# Altium PCB SlideRailCtrl.PcbDoc
Units mm, origin at the board's own origin, x right, y up, seen from the top; angles counter-clockwise.
Board outline 70 x 41 mm, 4 copper layers (Top Layer, Mid 1, Mid 2, Bottom Layer), stack 1.606 mm thick; 96 components, 70 nets, 328 pads, 149 vias.
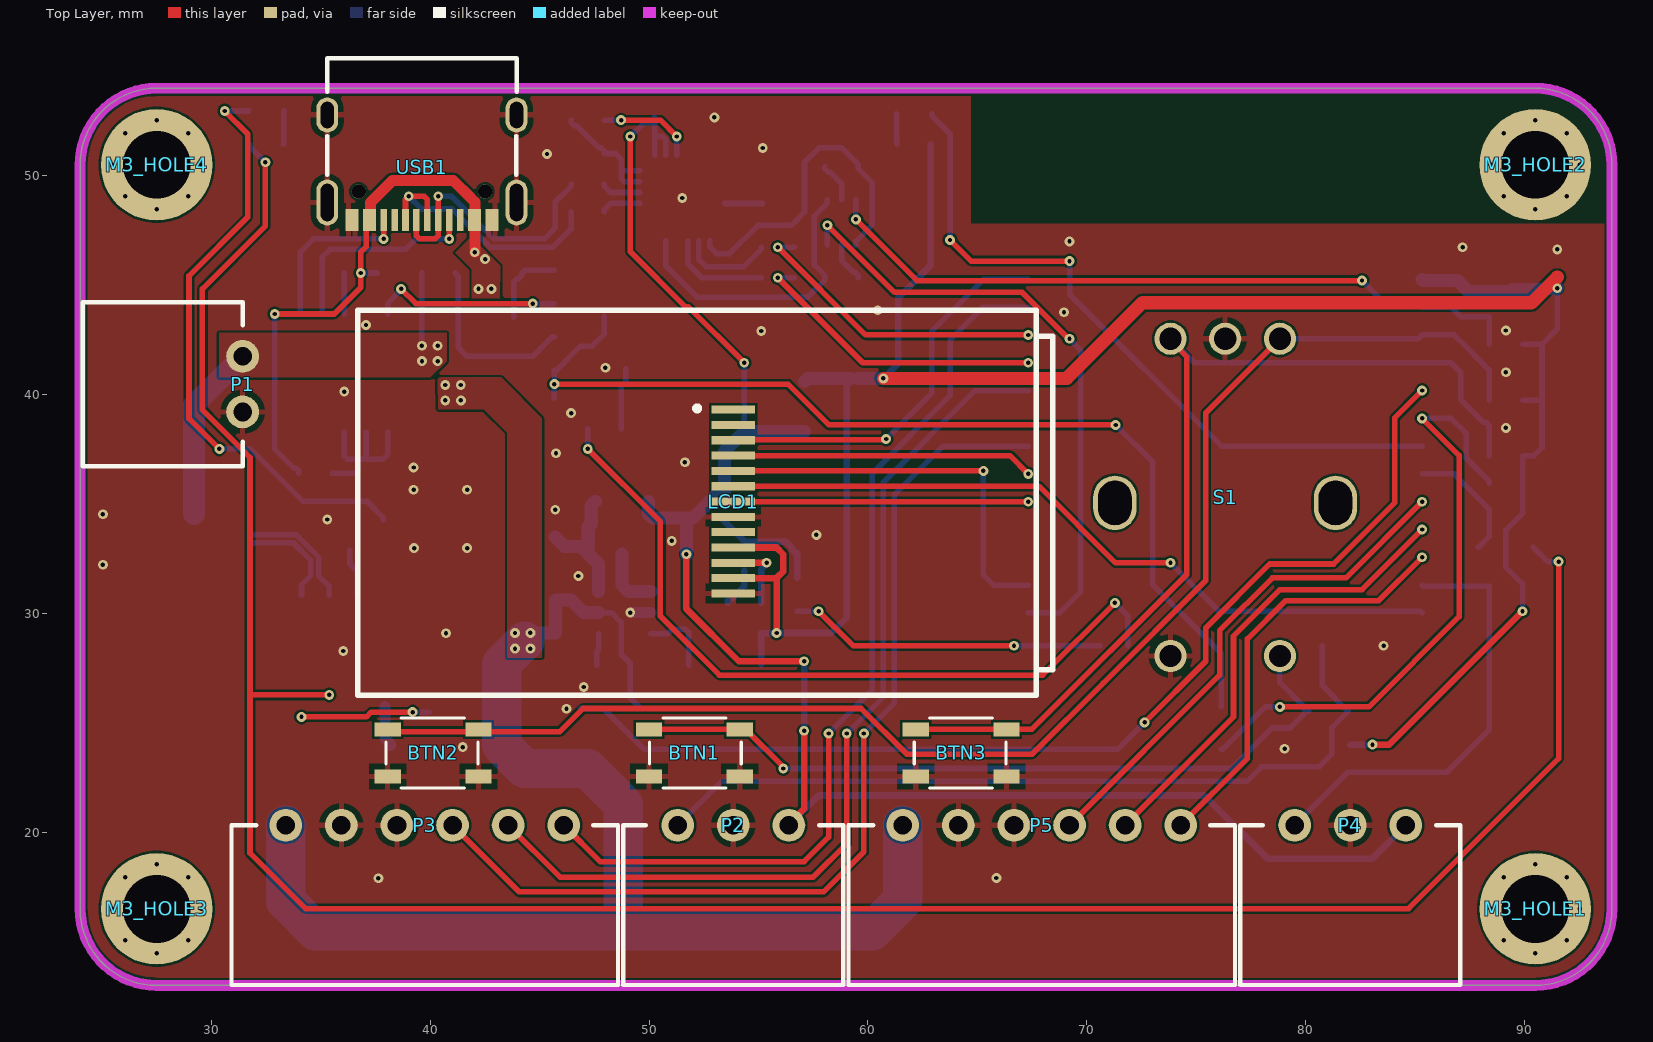
[diagram p0: Top Layer view]
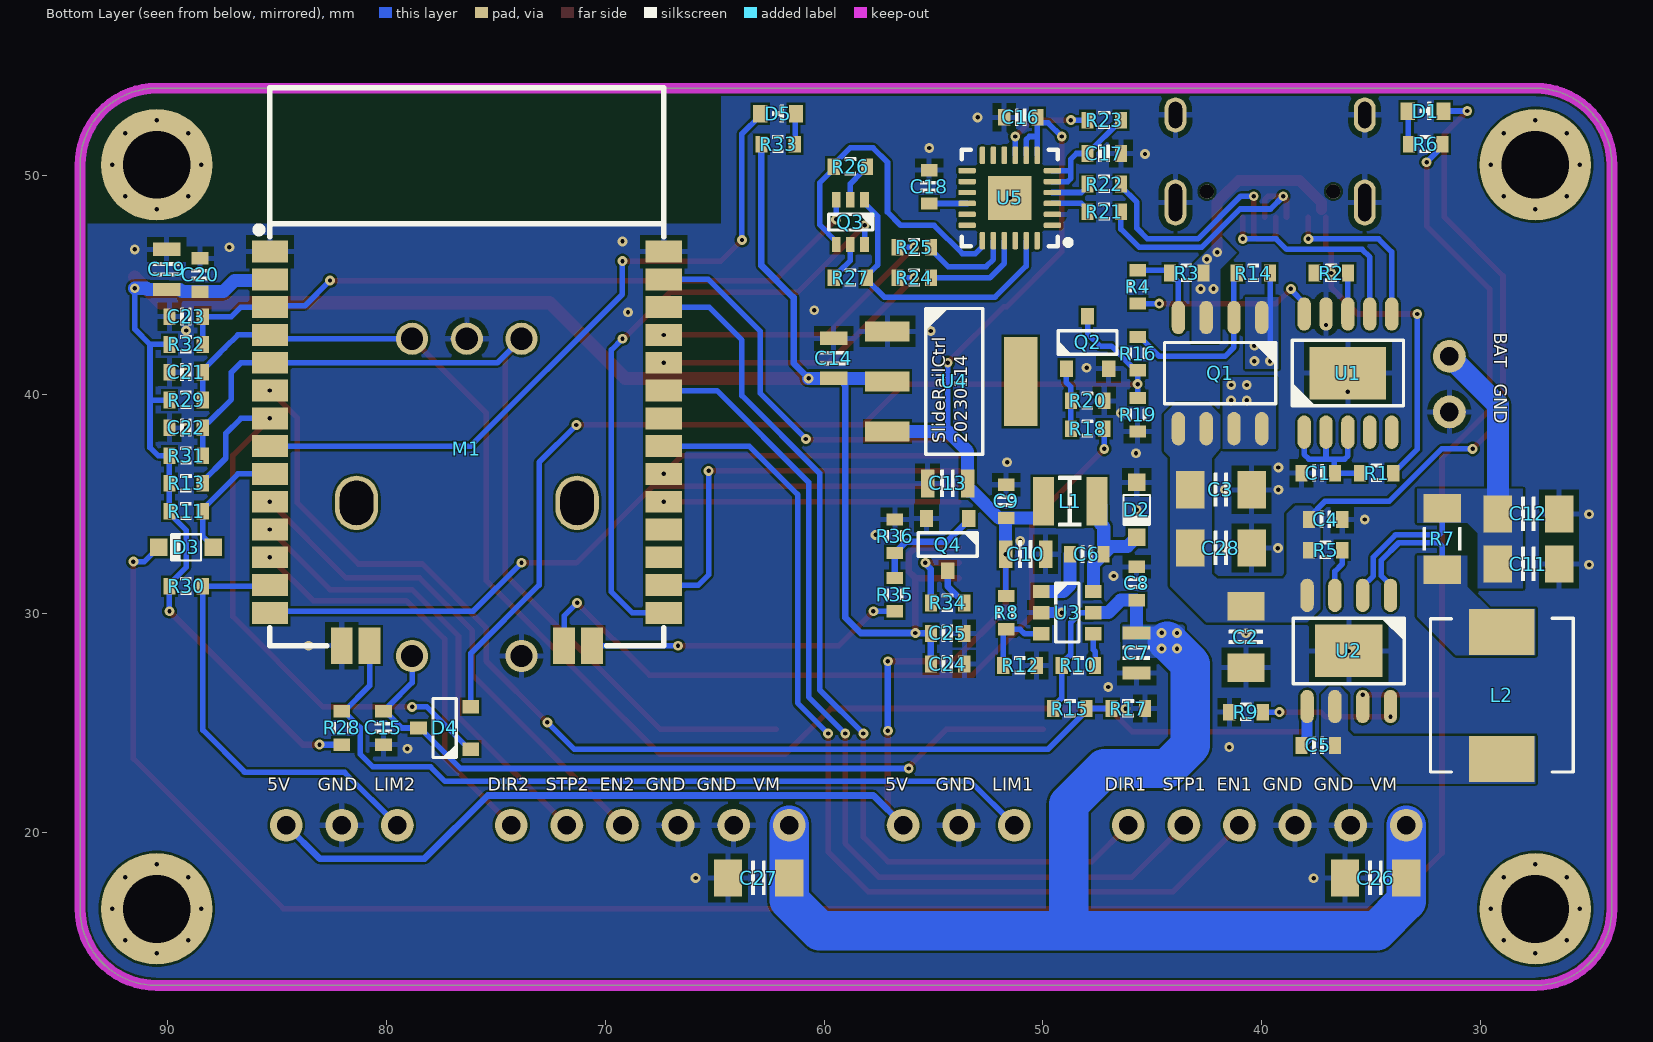
[diagram p1: Bottom Layer view, seen from below]
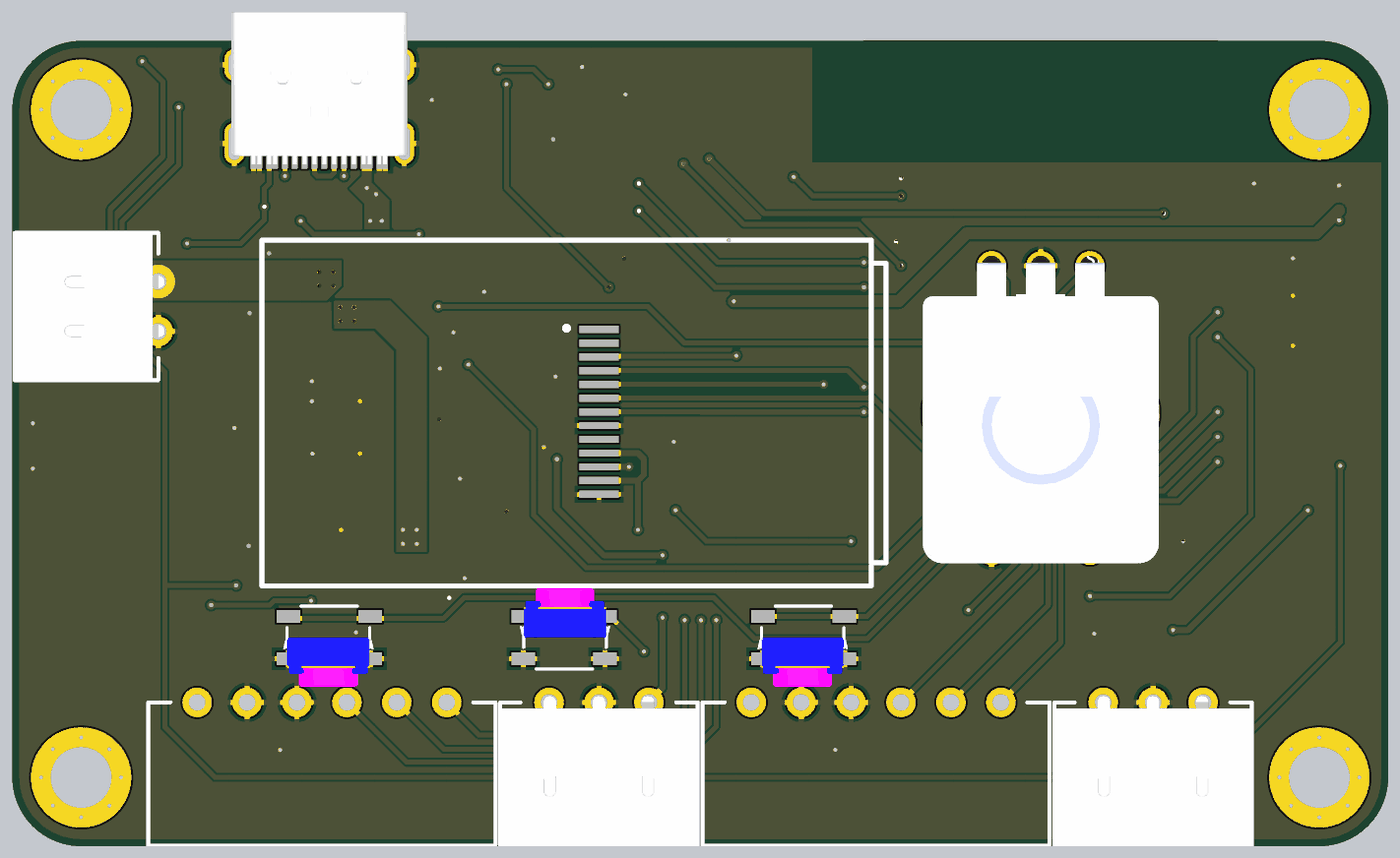
[diagram p2: 3D render of the assembled board from above, using the file's embedded part models]
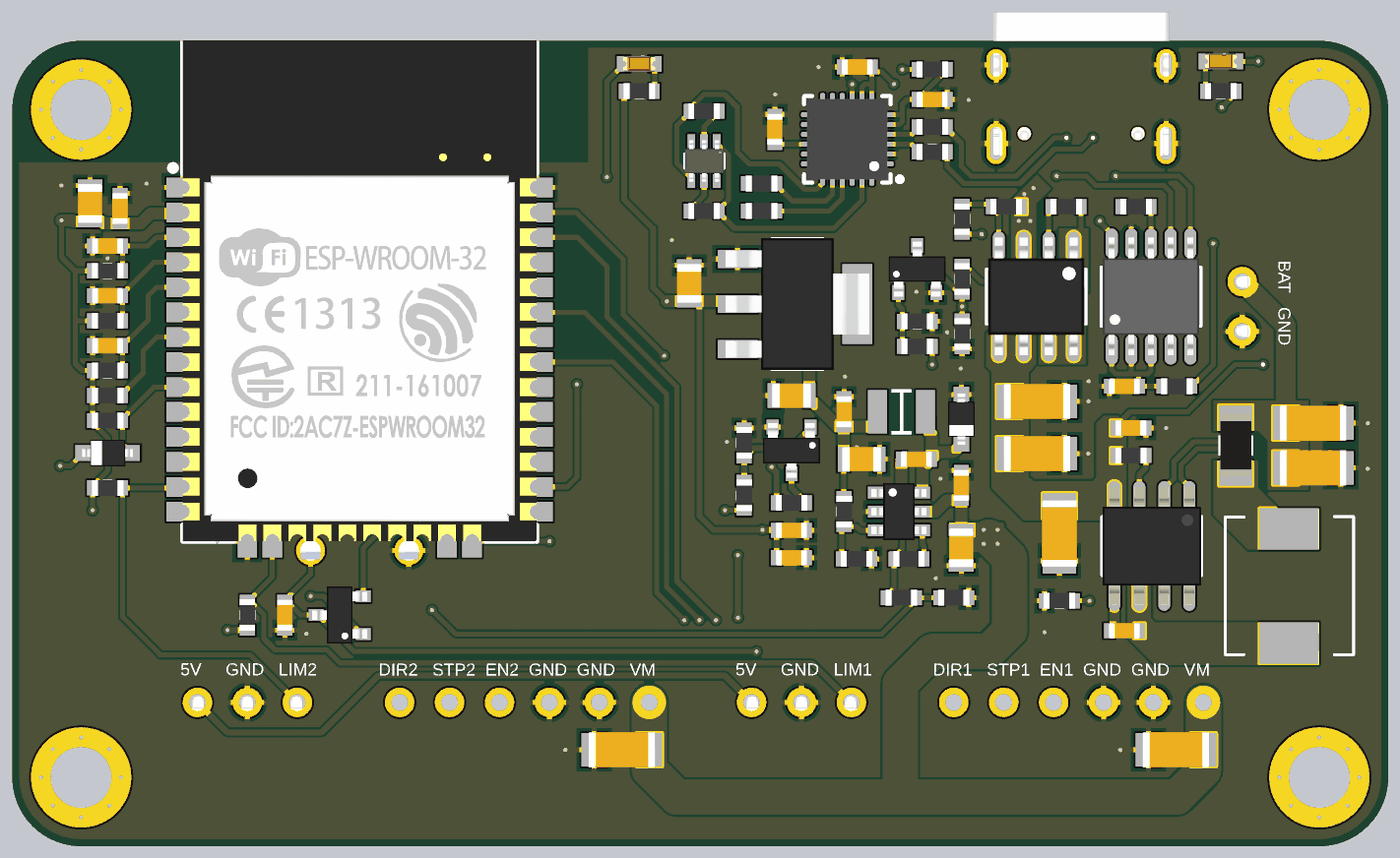
[diagram p3: 3D render of the assembled board from below, using the file's embedded part models]

## Layer stack, top to bottom
Top Solder: solder mask 0.0102, Solder Resist, Dk 3.8
Top Layer: signal copper 0.0356
Dielectric 2: prepreg 0.1, PP-006, Dk 4.05
Mid 1: signal copper 0.035
Dielectric 1: prepreg 1.265, PP-006, Dk 4.6
Mid 2: signal copper 0.035
Dielectric 3: prepreg 0.1, PP-006, Dk 4.05
Bottom Layer: signal copper 0.0356
Bottom Solder: solder mask 0.0102, Solder Resist, Dk 3.8

## Board outline
24,16.506 24,50.5 cw(c27.5,50.5) 27.5,54 90.5,54 cw(c90.5,50.5) 94,50.5 94,16.5 cw(c90.5,16.5) 90.5,13 27.5,13 cw(c27.5,16.5)

## Design rules (kind name [scope] priority, off if disabled: settings)
Clearance [All] p1: gap=0.102 ignorepadtopadclearanceinfootprint=TRUE
ComponentClearance [All] p1: gap=0 collisioncheckmode=3 verticalgap=0 showdistances=FALSE
DiffPairsRouting [All] p1: maxlimit=0.254 minlimit=0.254 mostfreqgap=0.254 toplayer_minwidth=0.2 toplayer_maxwidth=0.381 toplayer_prefwidth=0.2 midlayer1_minwidth=0.2 midlayer1_maxwidth=0.381 midlayer1_prefwidth=0.2 midlayer2_minwidth=0.2 midlayer2_maxwidth=0.381 midlayer2_prefwidth=0.2 bottomlayer_minwidth=0.2 bottomlayer_maxwidth=0.381 bottomlayer_prefwidth=0.2 maxuncoupledlength=12.7
Height [All] p1 off: minheight=0 maxheight=0 prefheight=0
MatchedLengths SD_CARD_MatchedLengths [InNetClass('SD_CARD')] p1: tolerance=10.16 checknetsindiffpair=FALSE checkdiffpairvsdiffpair=TRUE checkxsignals=TRUE checkothers=TRUE
PolygonConnect PolygonConnect_Via [IsVia] p1: connectstyle=Direct reliefconductorwidth=0.254 reliefentries=4 polygonreliefangle="90 Angle" airgapwidth=0.254
PolygonConnect PolygonConnect_GND [InNet('GND')] p2: connectstyle=Relief reliefconductorwidth=0.254 reliefentries=4 polygonreliefangle="90 Angle" airgapwidth=0.254
PolygonConnect [All] p3: connectstyle=Direct reliefconductorwidth=0.254 reliefentries=4 polygonreliefangle="90 Angle" airgapwidth=0.254
RoutingVias [All] p1: holewidth=0.711 width=1.27 viastyle="Through Hole" minholewidth=0.2 minwidth=0.4 maxholewidth=0.711 maxwidth=1.27
SolderMaskExpansion [All] p1: expansion=0.102 istentingtop=FALSE
Width Width_PWR [InNetClass('PWR')] p1: maxlimit=0.6 minlimit=0.2 preferedwidth=0.254
Width [All] p2: maxlimit=2 minlimit=0.102 preferedwidth=0.254
27 further rules are at their usual default settings.

## Classes and differential pairs
component class "[03] MainBoard": BTN2 BTN3 C16 C17 C18 C19 C20 C21 C22 C23 C24 C25 C26 C27 D5 LCD1 M1 P2 P3 P4 P5 Q3 Q4 R21 R22 R23 R24 R25 R26 R27 R28 R29 R30 R31 R32 R33 R34 R35 R36 S1 U5
component class "[02] Power": BTN1 C1 C2 C3 C4 C5 C6 C7 C8 C9 C10 C11 C12 C13 C14 C15 C28 D1 D2 D3 D4 L1 L2 M3_HOLE1 M3_HOLE2 M3_HOLE3 M3_HOLE4 P1 Q1 Q2 R1 R2 R3 R4 R5 R6 R7 R8 R9 R10 R11 R12 R13 R14 R15 R16 R17 R18 R19 R20 U1 U2 U3 U4 USB1

## Components (designator, comment, footprint, x,y, rotation, side; value= is the part's Value field where it differs from the comment)
BTN1 "PWR Button" BTN-4P-4.2*3.4*2.5 52.07,23.622 r180 top
BTN2 "USER BTN" BTN-4P-4.2*3.4*2.5 40.132,23.622 r0 top
BTN3 "USER BTN" BTN-4P-4.2*3.4*2.5 64.262,23.622 r0 top
C1 "1uF" CAP_0603 37.42,36.412 r0 bottom
C2 "22uF" CAP_1206 40.722,28.919 r90 bottom
C3 "22uF" CAP_1206 41.865,35.65 r0 bottom
C4 "1uF" CAP_0603 37.084,34.29 r180 bottom
C5 "100nF" CAP_0603 37.42,23.966 r0 bottom
C6 "100nF" CAP_0603 47.999,32.704 r0 bottom
C7 "10uF" CAP_0805 45.72,28.194 r270 bottom
C8 "100nF" CAP_0603 45.72,31.369 r90 bottom
C9 "100nF" CAP_0603 51.682,35.117 r90 bottom
C10 "22uF" CAP_0805 50.793,32.704 r180 bottom
C11 "22uF" CAP_1206 27.813,32.258 r0 bottom
C12 "22uF" CAP_1206 27.813,34.544 r0 bottom
C13 "10uF" CAP_0805 54.356,35.941 r180 bottom
C14 "10uF" CAP_0805 59.563,41.656 r270 bottom
C15 "100nF" CAP_0603 80.137,24.765 r270 bottom
C16 "1uF" CAP_0603 51.009,52.668 r180 bottom
C17 "1uF" CAP_0603 47.199,51.017 r180 bottom
C18 "4.7uF" CAP_0603 55.2,49.493 r90 bottom
C19 "10uF" CAP_0805 90.043,45.72 r270 bottom
C20 "100nF" CAP_0603 88.519,45.466 r270 bottom
C21 "100nF" CAP_0603 89.154,41.021 r180 bottom
C22 "100nF" CAP_0603 89.154,38.481 r180 bottom
C23 "1uF" CAP_0603 89.154,43.561 r180 bottom
C24 "4.7uF" CAP_0603 54.356,27.686 r0 bottom
C25 "100nF" CAP_0603 54.356,29.083 r180 bottom
C26 "22uF" CAP_1206 34.798,17.907 r180 bottom
C27 "22uF" CAP_1206 62.992,17.907 r180 bottom
C28 "22uF" CAP_1206 41.865,32.983 r0 bottom
D1 "RED" LED_0603 32.512,52.959 r180 bottom
D2 "B5819WS" SOD-323 45.713,34.736 r90 bottom
D3 "B5819WS" SOD-323 89.154,33.02 r180 bottom
D4 "BAT54" SOT-23-3 77.343,24.765 r180 bottom
D5 "RED" LED_0603 62.103,52.832 r180 bottom
L1 "4.7uH" IND_1008 48.761,35.117 r0 bottom
L2 "6.8uH" IND_P_0630 29.038,26.252 r90 bottom
LCD1 "LCD" LCD-IPS-1.14-135x240-TOP 52.197,35.052 r90 top
M1 "ESP32-WROOM-32E" ESP-32 76.327,37.53 r270 bottom locked
M3_HOLE1 "TestPoint" Hole_M3_PAD 90.5,16.5 r0 top
M3_HOLE2 "TestPoint" Hole_M3_PAD 90.5,50.5 r0 top
M3_HOLE3 "TestPoint" Hole_M3_PAD 27.5,16.5 r0 top
M3_HOLE4 "TestPoint" Hole_M3_PAD 27.5,50.5 r0 top
P1 "HX25003-2WAG" XH_2-SLEEP 31.425,40.476 r90 top
P2 "DIP 1x3" XH_3-sleep 53.848,20.32 r180 top locked
P3 "DIP 1x6" XH_6-sleep 39.751,20.32 r180 top locked
P4 "DIP 1x3" XH_3-sleep 82.042,20.32 r180 top locked
P5 "DIP 1x6" XH_6-sleep 67.945,20.32 r180 top locked
Q1 "NCE4953" SOP-8-P1.27 41.906,40.984 r0 bottom
Q2 "SS8050" SOT-23-3 47.961,42.381 r270 bottom
Q3 "BC847BDW1T1G" SC70-6 58.801,47.879 r90 bottom
Q4 "SS8050" SOT-23-3 54.356,33.147 r90 bottom
R1 "1K" RES_0603 34.753,36.412 r180 bottom
R2 "10K" RES_0603 36.826,45.556 r0 bottom
R3 "100K" RES_0603 43.43,45.556 r180 bottom
R4 "100K" RES_0603 45.675,44.921 r90 bottom
R5 "100K" RES_0603 37.084,32.893 r0 bottom
R6 "5.1K" RES_0603 32.512,51.435 r0 bottom
R7 "130mR" RES_1206 31.75,33.401 r270 bottom
R8 "49.9K" RES_0603 51.682,30.037 r270 bottom
R9 "20K" RES_0603 40.722,25.49 r0 bottom
R10 "100K" RES_0603 48.38,27.624 r180 bottom
R11 "10K" RES_0603 89.154,34.671 r180 bottom
R12 "9.53K" RES_0603 51.047,27.624 r180 bottom
R13 "1K" RES_0603 89.154,35.941 r0 bottom
R14 "100K" RES_0603 40.382,45.556 r180 bottom
R15 "100K" RES_0603 48.768,25.654 r0 bottom
R16 "100K" RES_0603 45.675,41.873 r90 bottom
R17 "30K" RES_0603 46.101,25.654 r0 bottom
R18 "1K" RES_0603 47.961,38.444 r0 bottom
R19 "NC" RES_0603 45.675,39.079 r270 bottom
R20 "10K" RES_0603 47.961,39.714 r0 bottom
R21 "22R" RES_0603 47.199,48.35 r180 bottom
R22 "22R" RES_0603 47.199,49.62 r180 bottom
R23 "10K" RES_0603 47.199,52.541 r0 bottom
R24 "22R" RES_0603 55.88,45.339 r180 bottom
R25 "22R" RES_0603 55.88,46.736 r180 bottom
R26 "10K" RES_0603 58.801,50.419 r0 bottom
R27 "10K" RES_0603 58.801,45.339 r0 bottom
R28 "4.7K" RES_0603 82.042,24.765 r90 bottom
R29 "4.7K" RES_0603 89.154,39.751 r180 bottom
R30 "4.7K" RES_0603 89.154,31.242 r180 bottom
R31 "4.7K" RES_0603 89.154,37.211 r180 bottom
R32 "10K" RES_0603 89.154,42.291 r0 bottom
R33 "4.7K" RES_0603 62.103,51.435 r180 bottom
R34 "10R" RES_0603 54.356,30.48 r0 bottom
R35 "1K" RES_0603 56.769,30.861 r270 bottom
R36 "10K" RES_0603 56.769,33.528 r270 bottom
S1 "RotaryEncoder" RotaryEncoder 76.327,35.052 r180 top locked
U1 "CH224K" HSOP-10-P1.0 36.064,40.984 r180 bottom
U2 "ME4078BSPG" HSOP-8-P1.27 36.023,28.284 r0 bottom
U3 "MP2359" SOT-23-6 48.888,30.037 r0 bottom
U4 "AMS1117-3.3V" SOT-223-3 54.057,40.603 r0 bottom
U5 "CH9102F" QFN-24-4.0X4.0-P0.5 51.517,48.985 r90 bottom
USB1 "Type-C" USB-Type-C 39.62,50.382 r90 top locked

## Footprints (in the part's own frame and the unit in brackets; to place one, negate y for a bottom-side part, rotate by r counter-clockwise, add the part's x,y. Pads: shape width x height; smd on the part's side, far side on the other; paste and mask are expansions set on the pad)
BTN-4P-4.2*3.4*2.5 [mm] "SKRPABE010"
  rect 1.2x0.65 smd: 1(-2.075,1.075) 1(2.075,1.075) 2(-2.075,-1.075) 2(2.075,-1.075)
  silkscreen extent -2.15,-1.6 2.05,1.6, body extent -2.35,-1.6 2.25,1.6, height 2.5
CAP_0603 [mil]
  rect 22x30 smd: 1(-30,0) 2(30,0)
  silkscreen extent -10,-15 10,15, body extent -31,-16 31,16, height 31
CAP_0805 [mil]
  rect 24x50 smd: 1(-36,0) 2(36,0)
  silkscreen extent -12,-24 12,24, body extent -39,-25 39,25, height 39
CAP_1206 [mm]
  rect 1.3x1.7 smd: 1(-1.4,0) 2(1.4,0)
  silkscreen extent -0.3,-0.76 0.3,0.76, body extent -1.7,-0.9 1.7,0.9, height 0.5
ESP-32 [mm]
  rect 1x1.65 smd: 1(-9.005,-9) 2(-7.735,-9) 3(-6.465,-9) 4(-5.195,-9) 5(-3.925,-9) 6(-2.655,-9) 7(-1.385,-9) 8(-0.115,-9) 9(1.155,-9) 10(2.425,-9) 11(3.695,-9) 12(4.965,-9) 13(6.235,-9) 14(7.505,-9) 25(7.505,9) 26(6.235,9) 27(4.965,9) 28(3.695,9) 29(2.425,9) 30(1.155,9) 31(-0.115,9) 32(-1.385,9) 33(-2.655,9) 34(-3.925,9) 35(-5.195,9) 36(-6.465,9) 37(-7.735,9) 38(-9.005,9)
  rect 1.65x1 smd: 15(9.005,-5.715) 16(9.005,-4.445) 23(9.005,4.445) 24(9.005,5.715)
  silkscreen extent -16.5,-9.65 9,9, body extent -16.5,-9 9,9, height 2.91
Hole_M3_PAD [mm]
  round 5.1 hole 3.1: 0(0,0)
HSOP-8-P1.27 [mil]
  oval 24x60 smd: 1(-75,-100) 2(-25,-100) 3(25,-100) 4(75,-100) 5(75,100) 6(25,100) 7(-25,100) 8(-75,100)
  rect 122.05x94.49 smd: 9(0,0)
  silkscreen extent -100,-59 100,59, body extent -98,-118 98,118, height 71
HSOP-10-P1.0 [mm]
  oval 0.61x1.524 smd: 1(-2,-2.7) 2(-1,-2.7) 3(0,-2.7) 4(1,-2.7) 5(2,-2.7) 6(2,2.7) 7(1,2.7) 8(0,2.7) 9(-1,2.7) 10(-2,2.7)
  rect 3.5x2.4 smd: 11(0,0)
  silkscreen extent -2.54,-1.5 2.54,1.5, body extent -2.45,-3 2.45,3, height 1.55
IND_1008 [mm]
  rect 0.96x2.22 smd: 1(-1.22,0) 2(1.22,0)
  silkscreen extent -0.51,-1.14 0.51,1.14, body extent -1.35,-1.1 1.35,1.1, height 1
IND_P_0630 [mm] "7*6.6*2.8MM(长*宽*高)"
  rect 2.1x3 smd: 1(-2.9,0) 2(2.9,0)
  silkscreen extent -3.5,-3.27 3.52,3.25, body extent -3.5,-3.25 3.52,3.25, height 2.8
LCD-IPS-1.14-135x240-TOP [mm]
  rect 0.37x2 smd: 1(4.26,-1.65) 2(3.56,-1.65) 3(2.86,-1.65) 4(2.16,-1.65) 5(1.46,-1.65) 6(0.76,-1.65) 7(0.06,-1.65) 8(-0.64,-1.65) 9(-1.34,-1.65) 10(-2.04,-1.65) 11(-2.74,-1.65) 12(-3.44,-1.65) 13(-4.14,-1.65)
  silkscreen extent -8.8,-16.26 8.8,15.5, body extent -8.8,-15.5 8.8,15.5, height 1.5
LED_0603 [mm]
  rect 0.65x0.8 smd: 1(0.813,0) 2(-0.813,0)
  silkscreen extent -0.25,-0.39 0.25,0.39, body extent -0.81,-0.4 0.81,0.4, height 0.6
QFN-24-4.0X4.0-P0.5 [mm] "QFN, 24-Leads, Body 4.00x4.00mm, Pitch 0.50mm, Thermal Pad 2.70x2.60mm, IPC Medium Density"
  rrect50% 0.25x0.8 smd: 1(-1.25,-1.95) 2(-0.75,-1.95) 3(-0.25,-1.95) 4(0.25,-1.95) 5(0.75,-1.95) 6(1.25,-1.95) 13(1.25,1.95) 14(0.75,1.95) 15(0.25,1.95) 16(-0.25,1.95) 17(-0.75,1.95) 18(-1.25,1.95)
  rrect50% 0.8x0.25 smd: 7(1.95,-1.25) 8(1.95,-0.75) 9(1.95,-0.25) 10(1.95,0.25) 11(1.95,0.75) 12(1.95,1.25) 19(-1.95,1.25) 20(-1.95,0.75) 21(-1.95,0.25) 22(-1.95,-0.25) 23(-1.95,-0.75) 24(-1.95,-1.25)
  rect 2x2 smd: 25(0,0)
  silkscreen extent -2.2,-2.79 2.2,2.2, body extent -2.07,-2.07 2.07,2.07, height 0.9
RES_0603 [mil]
  rect 22x30 smd: 1(-30,0) 2(30,0)
  silkscreen extent -10,-16 10,16, body extent -31,-16 31,16, height 18
RES_1206 [mm]
  rect 1.3x1.7 smd: 1(-1.4,0) 2(1.4,0)
  silkscreen extent -0.51,-0.88 0.51,0.88, body extent -1.6,-0.8 1.6,0.8, height 1.01
RotaryEncoder [mil]
  oval 78x98 hole 60 slot 80 at 90 deg: 0(-198.43,0) 0(198.43,0)
  round 58 hole 40: 1(-98.43,-295.28) 2(0,-295.28) 3(98.43,-295.28) 4(98.43,275.59) 5(-98.43,275.59)
  body extent -236,-301 236,301, height 1024
SC70-6 [mm]
  rect 0.7x0.4 smd: 1(1.024,-0.65) 2(1.024,0) 3(1.024,0.65) 4(-1.024,0.65) 5(-1.024,0) 6(-1.024,-0.65)
  silkscreen extent -0.36,-1.02 0.36,0.99, body extent -1.05,-1 1.05,1, height 0.92
SOD-323 [mm]
  rect 0.8x0.8 smd: 1(1.25,0) 2(-1.25,0)
  silkscreen extent -0.72,-0.6 0.67,0.6, body extent -1.3,-0.68 1.3,0.67, height 1.1
SOP-8-P1.27 [mil]
  oval 24x60 smd: 1(-75,-100.02) 2(-25,-100.02) 3(25,-100.02) 4(75,-100.02) 5(75,99.98) 6(25,99.98) 7(-25,99.98) 8(-75,99.98)
  silkscreen extent -100,-55 100,55, body extent -96,-118 96,118, height 69
SOT-23-3 [mil]
  rect 30x24 smd: 1(47,-38) 2(47,38) 3(-47,0)
  silkscreen extent -21,-53 21,53, body extent -55,-57 55,57, height 51
SOT-23-6 [mil]
  rect 30x24 smd: 1(47,-38) 2(47,0) 3(47,38) 4(-47,38) 5(-47,0) 6(-47,-38)
  silkscreen extent -21,-53 21,53, body extent -55,-57 55,57, height 57
SOT-223-3 [mil]
  rect 80x36 smd: 1(120,-90.16) 2(120,0) 3(120,90.16)
  rect 60x160 smd: 4(-120,0)
  silkscreen extent -51,-131 51,131, body extent -144,-132 144,132, height 71
USB-Type-C [mm]
  round 0.65 hole 0.65: 0(-1.105,2.89) 0(-1.105,-2.89)
  oval 1.6x1 hole 0.6 slot 1.2 at 0 deg: 1(2.395,4.325) 2(2.395,-4.325)
  oval 2.1x1 hole 0.6 slot 1.7 at 0 deg: 3(-1.605,-4.325) 4(-1.605,4.325)
  rect 1x0.3 smd: A1(-2.395,-3.35) A4(-2.395,-2.55) A5(-2.395,-1.25) A6(-2.395,-0.25) A7(-2.395,0.25) A8(-2.395,1.25) A9(-2.395,2.55) A12(-2.395,3.35) B1(-2.395,3.05) B4(-2.395,2.25) B5(-2.395,1.75) B6(-2.395,0.75) B7(-2.395,-0.75) B8(-2.395,-1.75) B9(-2.395,-2.25) B12(-2.395,-3.05)
  silkscreen extent -0.34,-4.33 4.99,4.33, body extent -2.67,-4.47 5.08,4.48, height 3.26
XH_2-SLEEP [mm]
  round 1.5 hole 0.85: 1(-1.27,0) 2(1.27,0)
  silkscreen extent -3.75,0 3.75,7.3, body extent -3.75,-0.34 3.75,7.3, height 5.95
XH_3-sleep [mm]
  round 1.5 hole 0.85: 1(-2.54,0) 2(0,0) 3(2.54,0)
  silkscreen extent -5.02,0 5.02,7.3, body extent -5,-0.34 5,7.3, height 5.95
XH_6-sleep [mm]
  round 1.5 hole 0.85: 1(-6.35,0) 2(-3.81,0) 3(-1.27,0) 4(1.27,0) 5(3.81,0) 6(6.35,0)
  silkscreen extent -8.83,0 8.83,7.3, body extent -8.8,0 8.8,7.3, height 5.8

## Part data
BTN1 BTN2 BTN3: library part Button, "Button"
C1 C2 C3 C4 C5 C6 C7 C8 C9 C10 C11 C12 C13 C14 C15 C16 C17 C18 C19 C20 C21 C22 C23 C24 C25 C26 C27 C28: library part CAP, "Capacitor"
  C1 C4 C5 C6 C8 C9 C15 C16 C17 C20 C21 C22 C23 C25: Specification="X7R 50V"
  C2 C3 C7 C11 C12 C13 C14 C26 C27 C28: Specification="X5R 25V"
  C10: Specification="X5R 10V"
  C18 C19: Specification="X7R 25V"
  C24: Specification="X7R 10V"
D1 D5: library part LED, "LED"
D2 D3: library part Diode, "Diode", Specification="40V 1A"
D4: library part Diode-2
L1 L2: library part IND, "Inductor"
  L1: Specification=1.3A
  L2: Specification=4.5A
LCD1: library part LCD_IPS_1.14_135x240
M1: library part ESP32-WROOM-32
P1: library part HDR1x2, "Header", Type=2.54
P2 P4: library part HDR1x3, "Header", Type=2.54
P3 P5: library part HDR1x6, "Header", Type=2.54
Q1: library part Dual_MOS-P, "Dual P-Channel MOSFET", Specification="-30V -5.1A"
Q2 Q4: library part BJT_NPN, "Transistor", Specification="40V 1.5A"
Q3: library part Dual_NPN, "Dual NPN Transistor"
R1 R2 R3 R4 R5 R6 R7 R8 R9 R10 R11 R12 R13 R14 R15 R16 R17 R18 R19 R20 R21 R22 R23 R24 R25 R26 R27 R28 R29 R30 R31 R32 R33 R34 R35 R36: library part RES, "Resistor", Specification=±1%
S1: "Encoder"
U1: "USB PD 等多快充协议受电芯片"
U2: library part ME4078, "双节、三节开关型锂电池管理"
U3: library part MP2456
U4: library part LM1117-3.3V
U5: library part CP2104, "SINGLE-CHIP USB-TO-UART BRIDGE"
USB1: library part USB-Type-C

## Via types
v1: diameter 0.45, hole 0.2, Top Layer to Bottom Layer, tented both sides, 117 vias
v2: diameter 0.4, hole 0.2, Top Layer to Bottom Layer, 32 vias

## Nets (pads, with @x,y where several pads share a name; then routed paths per layer and width w, separated by ;. In a path a pad name is that pad's centre, name@x,y a point inside that pad or via, vN(x,y) a via of type N, cw(c..) or ccw(c..) an arc to the next point about the centre after c; other vN are vias at no path point)
CH_CC1: U1.7 USB1.A5 | length 9.7
  Top Layer w0.254: v1(40.87,47.117) USB1.A5@40.87,48.114
  Bottom Layer w0.254: U1.7 35.064,46.287 35.411,46.634 38.862,46.634 39.345,47.117 v1(40.87,47.117)
CH_CC2: U1.6 USB1.B5 | length 7.9
  Top Layer w0.254: v1(37.87,47.117) USB1.B5@37.87,48.114
  Bottom Layer w0.254: U1.6 34.064,46.518 34.663,47.117 v1(37.87,47.117)
CH_PD_PG: R4.1 U1.10 | length 8.7
  Top Layer w0.254: v1(38.672,44.831) 39.344,44.159 v1(44.684,44.159)
  Bottom Layer w0.254: U1.10 38.064,44.182 38.672,44.79 v1(38.672,44.831) ; v1(44.684,44.159) R4.1
CH_VDD: C1.1 R1.1 U1.1 U1.2 U1.3 | length 7.3
  Bottom Layer w0.254: R1.1 C1.1 36.697,36.451 36.697,37.047 ; U1.3 36.064,37.196 36.213,37.047 36.697,37.047 ; U1.2 37.064,37.082 37.029,37.047 ; U1.1 38.064,37.265 37.846,37.047 37.029,37.047 ; 36.697,37.047 37.029,37.047
CHARGE_DET: D3.1 M1.9 R11.2 | length 5.7
  Bottom Layer w0.254: M1.9 86.79,36.374 88.392,34.773 88.392,33.508 D3.1
CP_UART_DTR: Q3.1 R27.1 U5.23 | length 13.5
  Bottom Layer w0.254: U5.23 50.767,45.873 52.19,44.45 57.252,44.45 58.039,45.237 58.039,45.441 57.76,45.72 57.556,45.923 57.556,48.158 58.151,48.753 Q3.1
CP_UART_RTS: Q3.4 R26.2 U5.19 | length 15.1
  Bottom Layer w0.254: U5.19 52.767,46.764 53.086,46.445 53.684,46.445 54.974,47.735 56.498,47.735 57.105,48.342 57.105,50.616 57.76,51.271 58.813,51.271 59.563,50.521 R26.2 59.563,50.317 60.198,49.683 60.198,47.752 59.451,47.005 Q3.4
CP_UART_RX: R25.2 U5.20 | length 4.3
  Bottom Layer w0.254: U5.20 52.267,46.177 52.597,45.847 54.331,45.847 55.118,46.634 R25.2
CP_UART_TX: R24.2 U5.21 | length 4.7
  Bottom Layer w0.254: U5.21 51.767,45.993 52.421,45.339 R24.2
CP_USB_D_N: R22.1 U5.4 | length 1.8
  Bottom Layer w0.254: R22.1 47.961,49.518 48.244,49.235 U5.4
CP_USB_D_P: R21.1 U5.3 | length 1.8
  Bottom Layer w0.254: R21.1 47.961,48.452 48.244,48.735 U5.3
ENC_BTN: BTN1.2 C15.1 D4.3 S1.5 | length 35.1
  Top Layer w0.254: BTN1.2@49.995,24.697 54.42,24.697 56.096,23.021 56.096,22.95 v1(56.134,22.913)
  Bottom Layer w0.254: v1(56.134,22.913) 76.608,22.913 D4.3@78.461,24.765 ; D4.3 D4.3@78.461,24.765 ; S1.5 78.827,26.837 79.883,25.781 79.883,25.679 C15.1@80.035,25.527 ; C15.1 C15.1@80.035,25.527 ; D4.3@78.461,24.765 79.299,24.765 79.883,25.349 79.883,25.375 C15.1@80.035,25.527
ESP_IO0: M1.25 Q3.6 | length 28.7
  Top Layer w0.254: v1(58.151,47.735) 61.219,44.667 67.053,44.667 69.168,42.552 v1(69.215,42.552)
  Bottom Layer w0.254: Q3.6 v1(58.151,47.735) ; M1.25 68.76,30.025 69.723,30.988 69.723,42.044 v1(69.215,42.552)
ESP_IO2: M1.24 R35.2 | length 14.5
  Top Layer w0.254: v1(57.747,30.099) 59.321,28.525 v1(66.675,28.525)
  Bottom Layer w0.254: R35.2 v1(57.747,30.099) ; v1(66.675,28.525) M1.24
ESP_RST: C23.2 M1.3 Q3.3 R32.1 | length 32.9
  Top Layer w0.254: v1(59.451,48.006) 61.178,46.279 62.245,45.212 v1(82.58,45.212)
  Bottom Layer w0.254: v1(59.451,48.006) Q3.3 ; v1(82.58,45.212) 83.732,44.061 85.261,44.061 M1.3 86.656,43.994 87.09,43.561 C23.2 R32.1
ESP_UART0_RX: M1.34 R24.1 | length 13.8
  Top Layer w0.254: v1(55.88,45.339) 59.764,41.455 v1(67.327,41.455)
  Bottom Layer w0.254: v1(55.88,45.339) R24.1
ESP_UART0_TX: M1.35 R25.1 | length 13.9
  Top Layer w0.254: v1(55.88,46.736) 59.891,42.725 v1(67.327,42.725)
  Bottom Layer w0.254: v1(55.88,46.736) R25.1
GND: BTN1.1 BTN2.2 BTN3.2 C1.2 C2.1 C3.1 C4.2 C7.2 C8.2 C9.2 C10.2 C11.1 C12.1 C13.1 C14.1 C15.2 C16.1 C17.2 C18.2 C19.1 C20.1 C21.1 C22.1 C23.1 C24.1 C25.2 C26.1 C27.1 C28.1 D2.1 LCD1.8 LCD1.13 M1.1 M1.15 M1.38 P1.1 P2.2 P3.4 P3.5 P4.2 P5.4 P5.5 Q2.2 Q4.2 R9.2 R12.2 R17.1 R19.2 R20.1 R36.1 S1.2 S1.4 U1.9 U1.11 U2.9 U3.2 U4.1 U5.2 U5.25 USB1.1 USB1.2 USB1.3 USB1.4 USB1.A1 USB1.A12 USB1.B1 USB1.B12 | length 0.9
  Bottom Layer w0.5: v1(49.142,30.037) U3.2
  other v1: 37.631,17.897 65.872,17.907 79.045,23.818 41.484,23.889 46.228,25.641 47.018,26.64 36.023,28.284 83.567,28.525 40.722,29.097 46.773,31.71 25.043,32.221 39.263,32.983 41.687,32.983 51.034,33.313 57.649,33.587 35.297,34.29 25.043,34.535 45.713,34.736 39.243,35.648 41.687,35.65 39.239,36.666 51.637,36.907 45.745,37.32 89.154,38.481 46.437,39.153 36.068,40.136 89.154,41.021 48.006,41.226 55.129,42.909 89.154,42.926 37.064,43.18 68.961,43.761 60.452,43.852 91.502,46.634 87.179,46.736 69.215,47.003 51.517,48.985 45.339,50.992 55.194,51.271 52.984,52.668
KEY_WKUP: D4.2 Q2.3 R16.1 R19.1 | length 46.3
  Top Layer w0.254: v1(45.675,40.476) 56.352,40.476 58.216,38.612 v1(71.32,38.612)
  Bottom Layer w0.254: R19.1 v1(45.675,40.476) R16.1 45.776,41.111 46.876,42.211 47.397,42.211 47.961,42.774 Q2.3 ; v1(71.32,38.612) 73.025,36.907 73.025,31.294 76.149,28.17 D4.2
LED_R: D5.2 M1.8 | length 32.5
  Top Layer w0.254: v1(63.754,47.066) 64.719,46.101 v1(69.215,46.101)
  Bottom Layer w0.254: D5.2 62.916,52.757 63.754,51.919 v1(63.754,47.066) ; v1(69.215,46.101) 69.215,44.584 76.155,37.644 M1.8
LIMITSW_1: M1.16 P2.3 R28.2 | length 37
  Bottom Layer w0.254: P2.3 53.316,22.328 77.319,22.328 77.978,22.987 80.623,22.987 81.206,23.569 81.206,24.792 81.94,25.527 80.772,26.695 M1.16
LIMITSW_2: M1.13 P4.3 R30.2 | length 20.4
  Bottom Layer w0.254: P4.3 81.915,22.733 86.487,22.733 86.487,22.765 88.392,24.67 R30.2 85.379,31.242 M1.13
MOTER1_DIR: M1.36 P3.1 | length 42.5
  Top Layer w0.254: P3.1 47.762,18.659 57.085,18.659 58.204,19.778 v1(58.204,24.511)
  Bottom Layer w0.254: v1(58.204,24.511) 60.198,26.505 60.198,36.399 63.754,39.955 63.754,42.494 65.254,43.995 M1.36
MOTER1_EN: M1.31 P3.3 | length 44.8
  Top Layer w0.254: P3.3 44.069,17.272 57.98,17.272 59.817,19.109 v1(59.817,24.511)
  Bottom Layer w0.254: v1(59.817,24.511) 61.214,25.908 61.214,35.433 63.426,37.645 M1.31
MOTER1_STP: M1.33 P3.2 | length 42.7
  Top Layer w0.254: P3.2 45.944,17.937 57.481,17.937 59.036,19.492 v1(59.036,24.511)
  Bottom Layer w0.254: v1(59.036,24.511) 60.706,26.181 60.706,35.995 64.895,40.185 M1.33
MOTER2_DIR: M1.12 P5.1 | length 19.3
  Top Layer w0.254: P5.1 77.343,23.368 77.343,28.839 79.084,30.58 83.342,30.58 v1(85.327,32.564)
MOTER2_EN: M1.10 P5.3 | length 23.4
  Top Layer w0.254: P5.3 76.073,27.178 76.073,29.21 78.486,31.623 81.845,31.623 v1(85.327,35.104)
MOTER2_STP: M1.11 P5.2 | length 21.3
  Top Layer w0.254: P5.2 76.708,25.273 76.708,28.967 78.829,31.088 82.58,31.088 v1(85.327,33.834)
NetC5_1: C5.1 L2.1 U2.6
NetC5_2: C5.2 U2.5 | length 1.9
  Bottom Layer w0.5: U2.5 37.928,24.28 38.182,24.026 C5.2
NetC6_1: C6.1 D2.2 L1.1 U3.6 | length 5.9
  Bottom Layer w0.6: D2.2 46.137,33.061 46.879,33.061 47.694,32.246 U3.6 ; C6.1@47.222,33.061 47.222,33.955 47.361,34.094 47.361,34.937 L1.1
NetC6_2: C6.2 U3.1 | length 2.8
  Bottom Layer w0.6: C6.2 48.761,31.299 49.058,31.002 U3.1
NetC18_1: C18.1 U5.16 | length 1.7
  Bottom Layer w0.254: U5.16 53.469,48.733 55.198,48.733 C18.1
NetD1_2: D1.2 R6.2 | length 1.5
  Bottom Layer w0.254: R6.2 33.299,51.46 33.299,52.933 D1.2
NetD3_2: D3.2 R6.1 U2.7 | length 112.5
  Top Layer w0.254: v1(32.467,50.616) 32.467,47.707 29.59,44.83 29.59,39.303 31.374,37.519 31.764,37.129 31.764,26.275 ; v1(35.388,26.275) 31.764,26.275 ; v1(91.567,32.365) 91.567,23.368 84.709,16.51 34.304,16.51 31.764,19.05 31.764,26.275
  Bottom Layer w0.254: R6.1 31.75,51.333 v1(32.467,50.616) ; D3.2 91.059,32.365 v1(91.567,32.365)
NetD5_1: D5.1 R33.2 | length 1.4
  Bottom Layer w0.254: D5.1 61.316,52.806 61.316,51.46 R33.2
NetL2_2: L2.2 R7.2 U2.1 | length 6
  Bottom Layer w0.254: R7.2 31.75,33.053 31.928,33.231 33.742,33.231 34.539,32.434 34.539,31.713 34.118,31.292 U2.1
NetLCD1_11: LCD1.11 R34.2 | length 3.5
  Top Layer w0.3: LCD1.11 v1(55.372,32.312)
  Bottom Layer w0.3: R34.2 55.118,32.017 55.372,32.271 v1(55.372,32.312)
NetQ1_2: Q1.2 R14.1 R16.2 | length 8.4
  Bottom Layer w0.254: R14.1 41.271,45.429 41.271,42.164 41.689,41.746 44.684,41.746 45.573,42.635 R16.2
NetQ1_4: Q1.4 R3.1 R4.2 | length 3.8
  Bottom Layer w0.254: Q1.4 43.811,45.153 43.96,45.302 44.04,45.302 44.192,45.454 R3.1 44.319,45.683 R4.2
NetQ2_1: Q2.1 R18.2 R20.2 | length 2.8
  Bottom Layer w0.254: R18.2 R20.2 48.723,40.349 48.926,40.552 Q2.1
NetQ3_2: Q3.2 R26.1 | length 1.9
  Bottom Layer w0.254: R26.1 58.039,50.317 58.191,50.165 58.27,50.165 58.801,49.634 Q3.2
NetQ3_5: Q3.5 R27.2 | length 1.9
  Bottom Layer w0.254: Q3.5 58.801,46.124 59.332,45.593 59.411,45.593 59.563,45.441 R27.2
NetQ4_1: Q4.1 R35.1 R36.2 | length 5.3
  Bottom Layer w0.3: Q4.1 53.391,34.265 54.381,33.274 56.261,33.274 56.54,32.995 56.54,32.893 56.667,32.766 R36.2 R35.1
NetQ4_3: Q4.3 R34.1 | length 1.8
  Bottom Layer w0.3: R34.1 53.594,30.582 53.721,30.709 53.823,30.709 54.356,31.242 Q4.3
NetR2_1: R2.1 U1.8 | length 1.9
  Bottom Layer w0.254: U1.8 R2.1
NetR5_1: R5.1 U2.3 | length 2.2
  Bottom Layer w0.254: R5.1 36.322,32.258 36.658,31.922 U2.3
NetR8_2: R8.2 R12.1 U3.3 | length 3.4
  Bottom Layer w0.254: U3.3 50.844,29.071 51.047,29.275 R8.2 51.809,29.148 R12.1
NetR9_1: R9.1 U2.8 | length 5.9
  Top Layer w0.254: v1(34.118,25.273) 37.085,25.273 37.302,25.49 v1(39.198,25.49)
  Bottom Layer w0.254: v1(39.198,25.49) R9.1
NetR10_2: R10.2 U3.4 | length 1.5
  Bottom Layer w0.254: R10.2 47.618,28.259 47.694,28.335 U3.4
NetR23_2: R23.2 U5.9 | length 4.5
  Top Layer w0.254: v1(48.723,52.541) 50.519,52.541 v1(51.267,51.793)
  Bottom Layer w0.254: R23.2 v1(48.723,52.541) ; U5.9 v1(51.267,51.793)
PWR_BTN: D4.1 M1.7 R13.1 | length 28.2
  Top Layer w0.254: v1(78.827,25.73) 82.891,25.73 87.017,29.856 87.017,37.225 v1(85.327,38.914)
  Bottom Layer w0.254: D4.1 76.225,23.8 78.156,25.73 v1(78.827,25.73) ; v1(85.327,38.914) 86.656,38.914 87.344,38.227 87.344,37.091 88.392,36.043 R13.1
PWR_KEEP: M1.23 R18.1 | length 35.4
  Top Layer w0.254: v1(47.199,37.519) 50.519,34.198 50.519,29.872 53.213,27.178 67.985,27.178 v1(71.287,30.48)
  Bottom Layer w0.254: v1(47.199,37.519) R18.1 ; v1(71.287,30.48) 71.882,29.885 M1.23
TFT_DC: LCD1.5 M1.26 | length 18.4
  Top Layer w0.254: LCD1.5 v1(65.278,36.512)
  Bottom Layer w0.254: v1(65.278,36.512) 65.278,31.763 65.747,31.295 M1.26
TFT_RST: LCD1.6 M1.14 | length 33.9
  Top Layer w0.254: LCD1.6 53.851,35.816 67.816,35.816 71.32,32.312 v1(73.827,32.312)
  Bottom Layer w0.254: v1(73.827,32.312) 76.04,30.099 85.252,30.099 M1.14
USB_D_N: R22.2 USB1.A7 USB1.B7 | length 12.4
  Top Layer w0.254: USB1.A7@39.37,48.114 39.37,47.266 39.519,47.117 40.221,47.117 40.37,47.266 40.37,48.114 v1(40.37,49.063)
  Bottom Layer w0.254: v1(40.37,49.063) 40.968,49.063 42.914,47.117 45.226,47.117 45.713,47.604 45.713,48.794 46.437,49.518 R22.2
USB_D_P: R21.2 USB1.A6 USB1.B6 | length 12.2
  Top Layer w0.254: USB1.B6@38.866,48.11 38.87,48.114 38.87,48.914 v1(39.019,49.063) 39.721,49.063 39.87,48.914 USB1.A6@39.87,48.114
  Bottom Layer w0.254: v1(39.019,49.063) 39.601,48.481 40.989,48.481 42.734,46.736 45.607,46.736 46.437,47.565 R21.2
USER_BTN1: BTN2.1 C21.2 M1.4 R29.2 S1.1 | length 66.1
  Top Layer w0.254: BTN2.1@38.057,24.697 38.153,24.601 45.927,24.601 46.98,25.654 59.69,25.654 61.775,23.569 67.511,23.569 70.739,26.797 75.438,31.496 75.438,39.163 S1.1
  Bottom Layer w0.254: S1.1 85.154,42.552 M1.4 86.79,42.724 87.392,42.123 87.779,41.736 88.392,41.123 C21.2 R29.2
USER_BTN2: BTN3.1 C22.2 M1.5 R31.2 S1.3 | length 44.7
  Top Layer w0.254: BTN3.1@62.187,24.697 66.337,24.697 67.485,24.697 74.578,31.79 74.578,41.722 73.827,42.473 S1.3
  Bottom Layer w0.254: S1.3 74.925,41.454 M1.5 86.656,41.454 87.09,41.021 87.09,39.783 88.138,38.735 88.24,38.735 88.392,38.583 R31.2
VAD_BAT: M1.6 R15.1 R17.2 | length 49.2
  Top Layer w0.254: v1(72.644,25.019) 75.438,27.813 75.438,29.337 78.359,32.258 81.28,32.258 84.074,35.052 84.074,38.932 v1(85.327,40.184)
  Bottom Layer w0.254: R17.2 R15.1 48.006,25.552 49.759,23.8 71.425,23.8 v1(72.644,25.019)
VBAT_IN_12V: C11.2 C12.2 P1.2 Q1.1 R7.1 R14.2 U2.2 | length 18.1
  Bottom Layer w0.254: R7.1 31.75,33.749 31.913,33.587 33.889,33.587 34.901,32.575 34.901,31.71 35.388,31.223 U2.2 ; v1(39.62,42.234) R14.2
  Bottom Layer w1: C12.2 29.213,39.534 P1.2
  other v1: 39.624,41.529 40.338,41.529 40.338,42.234
VBAT_OUT_12V: C7.1 C8.1 C26.2 C27.2 P3.6 P5.6 Q1.7 Q1.8 R10.1 R15.2 U3.5 | length 64.2
  Bottom Layer w0.254: U3.5 48.277,30.037 48.723,29.591 48.723,28.135 48.929,27.928 48.939,27.928 49.142,27.725 R10.1 49.142,26.144 49.53,25.756 R15.2
  Bottom Layer w0.6: v1(44.577,29.108) C7.1 C8.1 46.448,30.607 47.018,30.037 U3.5
  Bottom Layer w1.8: P3.6 33.4,20.319 33.4,17.909 C26.2 33.398,16.849 34.753,15.494 48.828,15.494 ; 44.319,28.735 43.265,27.681 43.265,23.967 44.319,22.913 47.191,22.913 48.828,21.276 48.828,15.494 ; P5.6 61.593,20.318 61.593,17.908 C27.2 61.592,16.888 60.198,15.494 48.828,15.494
  other v1: 43.872,28.391 44.577,28.391 43.872,29.104 40.684,39.735 41.402,39.735 40.684,40.44 41.398,40.44
VBUS_IN: Q1.3 R1.2 R2.2 R3.2 USB1.A4 USB1.A9 USB1.B4 USB1.B9 | length 24.5
  Top Layer w0.254: v1(32.893,43.684) 35.614,43.684 36.826,44.896 v1(36.826,45.556) 36.826,46.508 37.07,46.752 USB1.A9@37.07,48.114
  Top Layer w0.5: USB1.B4@37.271,48.468 37.271,48.786 38.269,49.784 41.054,49.784 41.833,49.004 41.833,48.997 42.037,48.793 v1(42.037,46.508)
  Bottom Layer w0.254: v1(32.893,43.684) 32.893,37.51 33.737,36.666 33.838,36.666 33.991,36.514 R1.2 ; v1(36.826,45.556) R2.2
  other v1: 42.207,44.831 42.797,44.831 42.51,46.191
VBUS_PD_15V: C2.2 C3.2 C4.1 C28.2 D1.1 Q1.5 Q1.6 R5.2 U2.4 | length 27.5
  Top Layer w0.254: v1(30.366,37.519) 28.976,38.908 28.976,45.426 31.66,48.11 31.66,51.906 v1(30.607,52.959)
  Bottom Layer w0.254: v1(30.366,37.519) 31.78,37.519 34.183,35.117 37.121,35.117 37.846,34.392 C4.1 ; v1(30.607,52.959) D1.1
VCC_3V3: C14.2 C19.2 C20.2 C24.2 C25.1 LCD1.10 LCD1.12 M1.2 R11.1 R13.2 R28.1 R29.1 R30.1 R31.1 R32.2 R33.1 U4.2 | length 107.7
  Top Layer w0.3: LCD1.12 55.829,31.612 ; LCD1.10 55.826,33.012 56.134,32.704 56.134,31.917 55.829,31.612 ; v1(55.829,29.104) 55.829,31.612 ; v1(83.058,24.003) 83.82,24.003 v1(89.916,30.099)
  Top Layer w0.6: v1(60.706,40.742) 69.091,40.742 72.546,44.196 90.329,44.196 91.502,45.369
  Bottom Layer w0.254: v1(89.916,30.099) R30.1 89.916,31.344 89.154,32.106 89.154,33.807 89.916,34.569 R11.1 R13.2 R31.1 90.438,37.211 90.805,37.578 90.805,39.751 ; R29.1 90.805,39.751 ; R32.2 90.805,42.291 ; v1(91.502,44.861) 91.502,42.988 90.805,42.291 ; 90.805,39.751 90.805,42.291
  Bottom Layer w0.3: C24.2 C25.1 55.129,29.094 55.819,29.094 v1(55.829,29.104) 58.327,29.104 59.036,29.814 59.036,40.411 59.078,40.453 59.078,40.587 59.233,40.742 C14.2 ; v1(60.706,40.742) 61.39,41.425 61.39,44.45 61.417,44.45 62.865,45.898 R33.1 ; R28.1 v1(83.058,24.003)
  Bottom Layer w0.6: U4.2 57.243,40.742 C14.2@59.233,40.742 ; C14.2 v1(60.706,40.742) ; M1.2 85.379,45.212 86.949,45.212 87.457,44.704 89.339,44.704 89.436,44.801 89.936,44.801 89.946,44.81 90.928,44.81 90.978,44.861 v1(91.502,44.861)
VCC_5V: C9.1 C10.1 C13.2 C16.2 L1.2 P2.1 P4.1 R8.1 U4.3 U5.7 U5.8 | length 81.5
  Top Layer w0.254: v1(49.142,51.793) 49.142,46.532 51.662,44.012 51.795,44.012 v1(54.352,41.454)
  Top Layer w0.3: v1(51.707,32.704) 51.707,30.208 54.102,27.813 v1(57.085,27.813) ; P2.1 56.388,20.375 57.085,21.072 v1(57.085,24.635)
  Bottom Layer w0.254: v1(49.142,51.793) 49.762,52.414 50.094,52.414 50.247,52.566 C16.2 50.265,52.65 50.265,51.793 ; U5.7 50.265,50.937 50.265,51.793 ; U5.8 50.769,50.937 50.769,51.645 50.62,51.793 50.265,51.793 ; R8.1 51.707,30.824 v1(51.707,32.704) ; 54.352,38.313 v1(54.352,41.454)
  Bottom Layer w0.3: P2.1 57.747,21.679 75.374,21.679 78.257,18.796 83.058,18.796 P4.1 ; v1(57.085,24.635) v1(57.085,27.813)
  Bottom Layer w0.6: L1.2 49.981,34.535 50.161,34.355 C9.1 ; v1(51.707,32.704) 51.707,34.334 51.687,34.355 C9.1 ; U4.3 54.352,38.313 53.442,37.402 53.442,35.611 53.437,35.606 53.259,35.606 52.008,34.355 C9.1
VCC_CP_3V45: C17.1 R23.1 U5.5 U5.6 | length 5.8
  Bottom Layer w0.254: R23.1 46.437,52.439 46.589,52.287 46.691,52.287 47.707,51.271 47.808,51.271 47.961,51.119 C17.1 48.469,51.017 48.723,50.763 48.723,50.255 ; U5.5 48.872,49.735 48.723,49.884 48.723,50.255 ; U5.6 48.743,50.235 48.723,50.255
VSPI_CS0: LCD1.7 M1.29 | length 13.5
  Top Layer w0.254: LCD1.7 53.851,35.108 58.984,35.108 58.988,35.105 v1(67.327,35.105)
VSPI_MOSI: LCD1.3 M1.37 | length 18.2
  Top Layer w0.254: LCD1.3 53.877,37.942 60.802,37.942 v1(60.833,37.973)
  Bottom Layer w0.254: v1(60.833,37.973) 62.916,40.056 62.916,42.889 65.291,45.265 M1.37
VSPI_SCLK: LCD1.4 M1.30 | length 13.8
  Top Layer w0.254: LCD1.4 66.49,37.212 v1(67.327,36.375)
pads on no net: LCD1.1 LCD1.2 LCD1.9 M1.27 M1.28 M1.32 M3_HOLE1.0 M3_HOLE2.0 M3_HOLE3.0 M3_HOLE4.0 S1.0 U1.4 U1.5 U4.4 U5.1 U5.10 U5.11 U5.12 U5.13 U5.14 U5.15 U5.17 U5.18 U5.22 U5.24 USB1.0 USB1.A8 USB1.B8
copper on no net:
  other v2: 27.5,14.468 90.5,14.468 26.063,15.063 28.937,15.063 89.063,15.063 91.937,15.063 25.468,16.5 29.532,16.5 88.468,16.5 92.532,16.5 26.063,17.937 28.937,17.937 89.063,17.937 91.937,17.937 27.5,18.532 90.5,18.532 27.5,48.468 90.5,48.468 26.063,49.063 28.937,49.063 89.063,49.063 91.937,49.063 25.468,50.5 29.532,50.5 88.468,50.5 92.532,50.5 26.063,51.937 28.937,51.937 89.063,51.937 91.937,51.937 27.5,52.532 90.5,52.532

## Polygon pours and split planes (outlines as drawn)
GND on Bottom Layer "GND_L04_P012" (solid, remove dead copper, pour order 12): 23.368,54.991 94.488,54.991 94.234,54.737 94.234,11.557 23.368,11.557 23.114,11.811
VBUS_IN on Bottom Layer "VBUS_IN_L04_P007" (solid, remove dead copper, pour order 7): 41.868,47.206 43.189,45.886 43.189,42.382 41.906,42.381 41.906,45.72 41.144,46.482
VBAT_OUT_12V on Bottom Layer "VBAT_OUT_12V_L04_P006" (solid, remove dead copper, pour order 6): 46.345,29.486 43.53,29.489 43.53,27.984 46.345,27.984
VBAT_OUT_12V on Bottom Layer "VBAT_OUT_12V_L04_P005" (solid, remove dead copper, pour order 5): 41.779,37.519 41.783,40.782 39.366,40.782 39.366,37.519
VBAT_IN_12V on Bottom Layer "VBAT_IN_12V_L04_P004" (solid, remove dead copper, pour order 4): 39.243,44.45 39.239,44.446 39.239,41.187 40.744,41.187 40.744,44.45
NetC5_1 on Bottom Layer "NETC5_1_L04_P003" (solid, remove dead copper, pour order 3): 27.506,24.384 35.814,24.384 36.065,24.635 36.065,26.292 36.413,26.64 36.907,26.64 37.271,26.275 37.271,23.6 35.896,22.225 27.506,22.225
VBAT_IN_12V on Bottom Layer "VBAT_IN_12V_L04_P002" (solid, remove dead copper, pour order 2): 30.124,31.14 28.067,31.14 28.067,35.687 32.893,35.687 32.893,34.138 30.607,34.138 30.124,33.655
NetL2_2 on Bottom Layer "NETL2_2_L04_P001" (solid, remove dead copper, pour order 1): 27.5,28.095 27.5,30.206 29.59,30.206 30.607,31.223 30.607,32.647 32.893,32.647 32.893,29.845 31.143,28.095
VBUS_PD_15V on Bottom Layer "VBUS_PD_15V_L04_P000" (solid, remove dead copper, pour order 0): 37.334,34.507 37.334,30.185 37.928,29.591 42.537,29.591 44.176,31.23 44.176,37.129 44.45,37.403 44.45,39.1 43.977,39.574 42.4,39.574 41.906,39.079 41.906,37.555 42.291,37.084 42.291,34.549 42.291,31.802 42.037,31.59 39.017,31.59 38.862,31.802 38.862,34.544 38.481,34.925 37.752,34.925
GND on Top Layer "GND_L01_P011" (solid, remove dead copper, pour order 11): 23.495,54.61 94.234,54.61 94.234,11.557 93.345,12.446 23.241,12.446
VBAT_IN_12V on Top Layer "VBAT_IN_12V_L01_P009" (solid, remove dead copper, pour order 9): 30.366,42.819 40.744,42.819 40.744,41.515 40.011,40.782 30.366,40.782
VBAT_OUT_12V on Top Layer "VBAT_OUT_12V_L01_P010" (solid, remove dead copper, pour order 10): 40.339,40.782 43.235,40.782 45.095,38.922 45.095,27.984 43.53,27.984 43.53,38.251 42.445,39.337 40.37,39.337
VBUS_IN on Top Layer "VBUS_IN_L01_P008" (solid, remove dead copper, pour order 8): 41.144,46.482 41.868,47.206 43.189,45.886 43.189,44.413 41.906,44.413 41.906,45.72

## Keep-outs
Keep-Out Layer:
  the board outline again, w0.5

## Other copper
Bottom Layer:
  pour cut-out: 48.122,36.328 49.391,36.328 49.391,33.897 48.122,33.897
  pour cut-out: 50.263,50.239 52.771,50.239 52.771,47.731 50.263,47.731
Multi-Layer:
  pour cut-out: 64.692,53.97 64.692,47.805 94,47.805 94,54.009

## Silkscreen, mask and mechanical layers (free items; w line width, h text height)
Bottom Overlay:
  text "BAT   GND" at 29.579,42.817 h1 r90
  text "20230114" at 53.247,37.775 h1 r270
  text "SlideRailCtrl" at 54.263,37.776 h1 r270
  text "DIR1   STP1  EN1  GND  GND   VM" at 47.168,21.69 h1
  text "5V     GND   LIM1" at 57.212,21.701 h1
  text "DIR2   STP2  EN2  GND  GND   VM" at 75.374,21.69 h1
  text "5V     GND   LIM2" at 85.451,21.701 h1
Mechanical 1:
  the board outline again, w0.5
Top Component:
  lines w0.5: 24,13 27.5,13 27.5,16.5 24,16.5 24,13 ; 24,50.5 24,54 27.5,54 27.5,50.5 24,50.5 ; 90.5,13 94,13 94,16.5 90.5,16.5 90.5,13 ; 90.5,50.5 90.5,54 94,54 94,50.5 90.5,50.5